# Altium PCB PowerModul.PcbDoc (part 1 of 2) (continued)
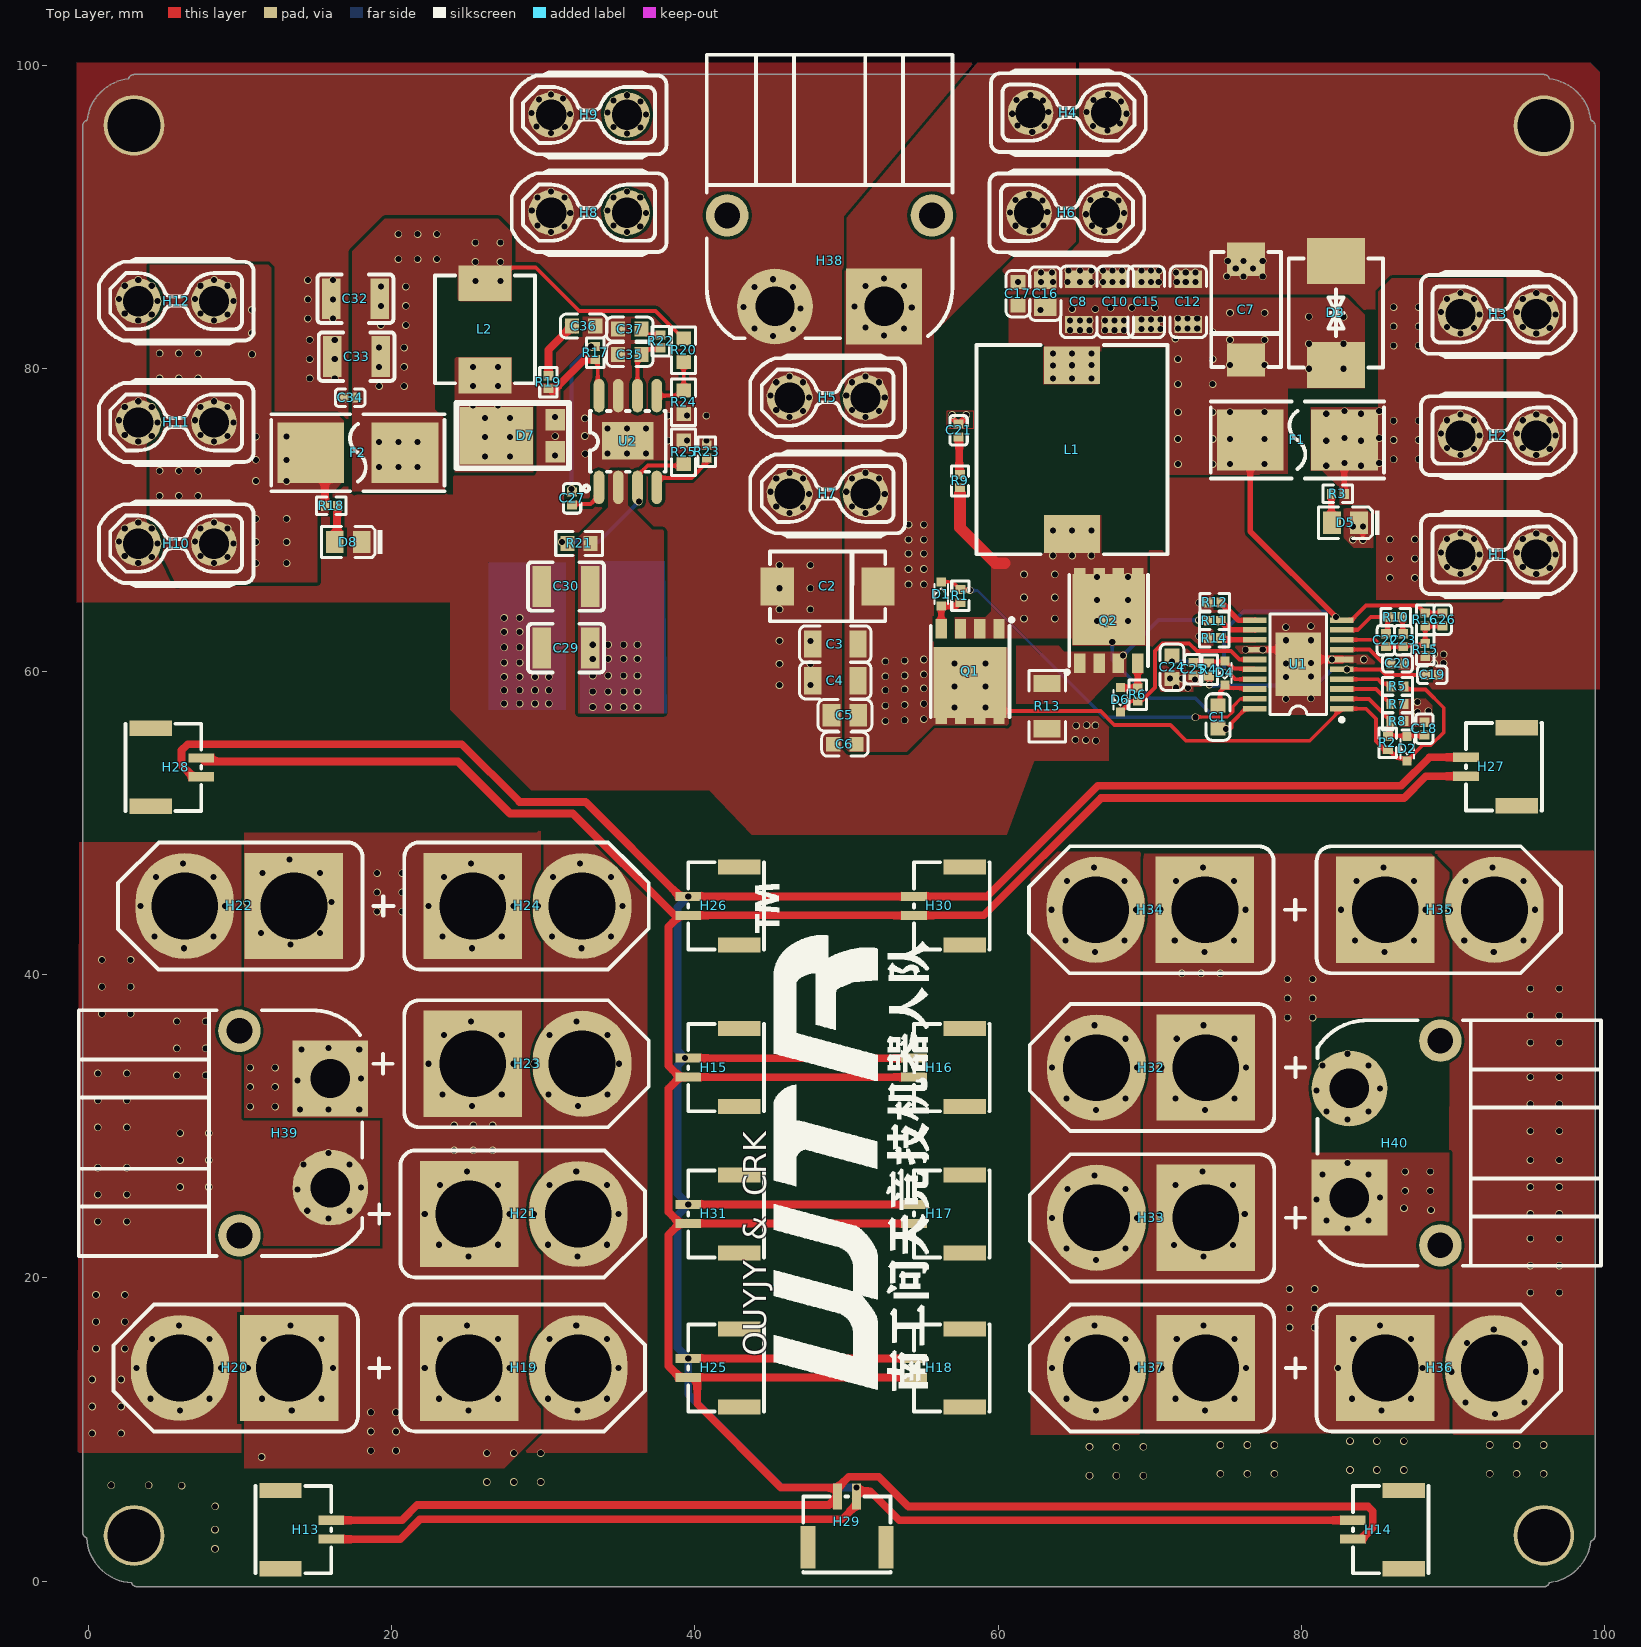
[diagram p0: Top Layer view]
## Board outline (continued)

## Design rules (kind name [scope] priority, off if disabled: settings)
Clearance [All] p1: gap=0.203 ignorepadtopadclearanceinfootprint=TRUE
HoleSize [All] p1: absolutevalues=TRUE maxlimit=2.54 minlimit=0.152 maxpercent=80.000 minpercent=20.000
MinimumSolderMaskSliver [All] p1: minsoldermaskwidth=0
PlaneClearance [All] p1: clearance=0.508
PlaneConnect [All] p1: planeconnectstyle=Direct reliefexpansion=0.508 reliefentries=4 reliefconductorwidth=0.254 reliefairgap=0.254
PolygonConnect [All] p1: connectstyle=Direct reliefconductorwidth=0.254 reliefentries=4 polygonreliefangle="90 Angle" airgapwidth=0.254
RoutingVias [All] p1: holewidth=0.3 width=0.4 viastyle="Through Hole" minholewidth=0.3 minwidth=0.4 maxholewidth=9 maxwidth=10
SilkToSilkClearance [All] p1: silktosilkclearance=0
SilkToSolderMaskClearance [IsPad] p1: minsilkscreentomaskgap=0 clearancetoexposedcopper=TRUE
SolderMaskExpansion [All] p1: expansion=0.102
Width [All] p1: maxlimit=2.54 minlimit=0.203 preferedwidth=0.254 minimp=50.000000 maximp=50.000000 favimp=50.000000
24 further rules are at their usual default settings.

## Components (designator, comment, footprint, x,y, rotation, side; value= is the part's Value field where it differs from the comment)
C1 "1uF 50V 0603" 0603_C 74.513,56.995 r270 top
C2 "22uF 35V 钽电容" CAP-SMD_L7.3-W4.3-R-RD 48.752,65.616 r0 top
C3 "4.7uF 50V 1206" 1206_C 49.26,61.806 r0 top
C4 "4.7uF 50V 1206" 1206_C 49.26,59.393 r0 top
C5 "1uF 50V 0805" 0805_C 49.895,57.107 r0 top
C6 "0.1uF 50V 0603" 0603_C 49.895,55.202 r0 top
C7 "22uF 35V 钽电容" CAP-SMD_L7.3-W4.3-R-RD 76.359,83.873 r270 top
C8 "22uF 25V" 1206_C 65.31,84.381 r270 top
C9 "22uF 25V" 1206_C 67.723,84.381 r270 bottom
C10 "22uF 25V" 1206_C 67.723,84.381 r270 top
C11 "22uF 25V" 1206_C 65.31,84.381 r270 bottom
C12 "22uF 25V" 1206_C 72.549,84.381 r270 top
C13 "22uF 25V" 1206_C 70.136,84.381 r270 bottom
C14 "22uF 25V" 1206_C 72.549,84.381 r270 bottom
C15 "22uF 25V" 1206_C 69.771,84.381 r270 top
C16 "1uF 50V 0805" 0805_C 63.103,84.921 r270 top
C17 "100nF 50V 0603" 0603_C 61.308,84.92 r270 top
C18 "1uF" 0402_C 88.122,56.225 r270 top
C19 "270pF" 0402_C 88.63,59.774 r180 top
C20 "10nF" 0402_C 86.344,60.536 r180 top
C21 "470pF" 0402_C 57.388,75.903 r270 top
C22 "100pF" 0402_C 85.582,62.06 r90 top
C23 "3.3nF" 0402_C 86.725,62.06 r90 top
C24 "1uF 0603 50V" 0603_C 71.477,60.282 r90 top
C25 "1uF" 0402_C 72.874,60.155 r90 top
C26 "330pF" 0402_C 89.321,63.418 r270 top
C27 "100nF" 0402_C 31.892,71.41 r270 top
C28 "4.7uF 1210 50V" C1210 31.494,65.606 r0 bottom
C29 "4.7uF 1210 50V" C1210 31.494,61.542 r0 top
C30 "4.7uF 1210 50V" C1210 31.494,65.606 r0 top
C31 "4.7uF 1210 50V" C1210 31.494,61.542 r0 bottom
C32 "100uF 6.3V 1210" C1210 17.604,84.587 r0 top
C33 "100uF 6.3V 1210" C1210 17.68,80.77 r0 top
C34 "100nF 0402 25V" 0402_C 17.256,78.062 r0 top
C35 "47pF" 0603_C 35.702,80.901 r0 top
C36 "100pF" 0603_C 32.654,82.78 r180 top
C37 "4.7nF" 0603_C 35.702,82.586 r0 top
D1 "BAS516" SOD-523_L1.2-W0.8-LS1.6-RD 56.245,65.108 r270 top
D2 "BAS516" SOD-523_L1.2-W0.8-LS1.6-RD 86.979,54.904 r90 top
D3 "SMCJ12CA C78808" SMC_L6.9-W5.9-LS7.9-BI 82.28,83.65 r270 top
D4 "BAS516" SOD-523_L1.2-W0.8-LS1.6-RD 74.952,59.901 r90 top
D5 "Green" 0805_LED_S1 82.915,69.807 r180 top
D6 "BAS516" SOD-523_L1.2-W0.8-LS1.6-RD 68.066,58.137 r90 top
D7 "SVM860VB" TO-277B_3P-L6.1-W4.3-LS7.0-BR 28.841,75.554 r0 top
D8 "Green" 0805_LED_S1 17.129,68.537 r180 top
F1 "FUSE C206921" FUSE-SMD_L9.8-W5.1 79.74,75.268 r0 top
F2 "FUSE C206916" FUSE-SMD_L9.8-W5.1 17.764,74.427 r180 top
H1 "2P" XT30UPB-F 92.996,67.711 r0 top
H2 "2P" XT30UPB-F 92.996,75.554 r0 top
H3 "2P" XT30UPB-F 92.996,83.554 r0 top
H4 "2P" XT30UPB-F 64.637,96.858 r0 top
H5 "2P" XT30UPB-F 48.752,78.062 r180 top
H6 "2P" XT30UPB-F 64.539,90.254 r0 top
H7 "2P" XT30UPB-F 48.752,71.712 r180 top
H8 "2P" XT30UPB-F 33.016,90.262 r180 top
H9 "2P" XT30UPB-F 33.016,96.714 r180 top
H10 "2P" XT30UPB-F 5.778,68.427 r180 top
H11 "2P" XT30UPB-F 5.778,76.427 r180 top
H12 "2P" XT30UPB-F 5.778,84.427 r180 top
H13 "2P" GH1.25-S-2P 14.335,3.386 r270 top
H14 "2P" GH1.25-S-2P 85.074,3.386 r90 top
H15 "2P" GH1.25-S-2P 41.235,33.866 r90 top
H16 "2P" GH1.25-S-2P 56.118,33.866 r90 top
H17 "2P" GH1.25-S-2P 56.118,24.214 r90 top
H18 "2P" GH1.25-S-2P 56.118,14.054 r90 top
H19 "2P" TX60-LI-P 28.697,14.054 r0 top
H20 "2P" TX60-LI-P 9.636,14.054 r180 top
H21 "2P" TX60-LI-P 28.697,24.214 r0 top
H22 "2P" TX60-LI-P 9.949,44.534 r180 top
H23 "2P" TX60-LI-P 28.951,34.12 r0 top
H24 "2P" TX60-LI-P 28.951,44.534 r0 top
H25 "2P" GH1.25-S-2P 41.235,14.054 r90 top
H26 "2P" GH1.25-S-2P 41.235,44.534 r90 top
H27 "2P" GH1.25-S-2P 92.543,53.713 r90 top
H28 "2P" GH1.25-S-2P 5.763,53.678 r270 top
H29 "2P" GH1.25-S-2P 50.022,3.894 r0 top
H30 "2P" GH1.25-S-2P 56.118,44.534 r90 top
H31 "2P" GH1.25-S-2P 41.235,24.214 r90 top
H32 "2P" TX60-LI-P 70.088,33.866 r180 top
H33 "2P" TX60-LI-P 70.088,23.96 r180 top
H34 "2P" TX60-LI-P 70.044,44.28 r180 top
H35 "2P" TX60-LI-P 89.138,44.28 r0 top
H36 "2P" TX60-LI-P 89.138,14.054 r0 top
H37 "2P" TX60-LI-P 70.088,14.054 r180 top
H38 "2P" TX60PW-M20 48.879,87.079 r180 top
H39 "2P" TX60PW-M20 12.949,29.548 r270 top
H40 "2P" TX60PW-M20 86.171,28.894 r90 top
L1 "10uH 10A C150112" IND-SMD_L13.8-W12.6_SMMS1360 64.881,74.633 r90 top
L2 "6.8uH 5A" IND-SMD_L7.1-W6.6 26.146,82.561 r90 top
Q1 "BSC067N06LS3" PG-TDSON-8_L5.0-W6.0-P1.27-LS6.2-BL-EP 58.15,60.003 r180 top
Q2 "BSC067N06LS3" PG-TDSON-8_L5.0-W6.0-P1.27-LS6.2-BL-EP 67.294,63.355 r0 top
R1 "4.7R" 0402_R 57.515,64.981 r90 top
R2 "100K 0402" 0402_R 85.709,55.285 r270 top
R3 "4.7K" 0402_R 82.407,71.712 r180 top
R4 "511K" 0402_R 73.898,60.123 r90 top
R5 "1M 0201" 0402_R 86.344,59.012 r0 top
R6 "4.7R" 0402_R 69.209,58.474 r270 top
R7 "12.4K 0402" 0402_R 86.344,57.845 r180 top
R8 "10K 0402" 0402_R 86.344,56.726 r180 top
R9 "10R" 0402_R 57.484,72.564 r90 top
R10 "17.8K" 0402_R 86.217,63.584 r0 top
R11 "0R" 0402_R 74.259,63.345 r180 top
R12 "10K" 0402_R 74.279,64.556 r0 top
R13 "4mR 1206 1%" 1206_R 63.23,57.708 r270 top
R14 "0R" 0402_R 74.259,62.202 r180 top
R15 "1.21K 1%" 0402_R 88.178,61.425 r90 top
R16 "10.7K 1%" 0402_R 88.178,63.418 r90 top
R17 "0R" 0402_R 33.424,81.014 r270 top
R18 "1K" 0402_R 16.015,70.919 r0 top
R19 "100R" 0402_R 30.337,79.078 r90 top
R20 "40.2K 0603 1%" 0603_R 39.258,81.181 r270 top
R21 "309K 0603" 0603_R 32.352,68.448 r0 top
R22 "17.8K" 0402_R 37.734,81.78 r90 top
R23 "243K" 0402_R 40.782,74.502 r270 top
R24 "7.68K 0603 1%" 0603_R 39.258,77.752 r270 top
R25 "68K 0603" 0603_R 39.258,74.458 r270 top
U1 "LM25116MHX/NOPB" HTSSOP-20_L6.5-W4.4-P0.65-LS6.4-BL-EP 79.796,60.465 r90 top locked
U2 "TPS54540DDAR" SOIC-8-EP 35.575,75.169 r0 top
? "Comment" WTR_LOGO 55.356,12.72 r90 top

## Footprints (in the part's own frame and the unit in brackets; to place one, negate y for a bottom-side part, rotate by r counter-clockwise, add the part's x,y. Pads: shape width x height; smd on the part's side, far side on the other; paste and mask are expansions set on the pad)
0402_C [mm]
  rect 0.6x0.65 smd mask+0.051: 1(-0.425,0) 2(0.425,0)
  silkscreen extent -0.98,-0.58 0.98,0.58, body extent -0.48,-0.3 0.52,0.3, height 0.2
0402_R [mm]
  rect 0.6x0.65 smd mask+0.051: 1(-0.425,0) 2(0.425,0)
  silkscreen extent -0.98,-0.57 0.98,0.58, body extent -0.57,-0.27 0.58,0.28, height 0.41
0603_C [mm]
  rect 0.93x0.98 smd: 1(-0.77,0) 2(0.77,0)
  silkscreen extent -1.54,-0.79 1.54,0.79, body extent -0.8,-0.4 0.8,0.4, height 0.3
0603_R [mm]
  rect 0.93x0.98 smd: 1(-0.77,0) 2(0.77,0)
  silkscreen extent -1.54,-0.79 1.54,0.79, body extent -0.85,-0.4 0.85,0.4, height 0.56
0805_C [mm]
  rect 1.16x1.47 smd: 1(-0.89,0) 2(0.89,0)
  silkscreen extent -1.77,-1.04 1.77,1.04, body extent -1,-0.62 1,0.63, height 0.77
0805_LED_S1 [mm]
  rect 1.16x1.47 smd: A(0.89,0) K(-0.89,0)
  silkscreen extent -2.24,-1.04 1.77,1.03, body extent -1.01,-0.62 1.01,0.62, height 1.1
1206_C [mm]
  rect 1.13x1.8 smd: 1(-1.49,0) 2(1.49,0)
  silkscreen extent -2.36,-1.2 2.35,1.2, body extent -1.6,-0.81 1.6,0.79, height 1
1206_R [mm]
  rect 1.13x1.8 smd: 1(-1.49,0) 2(1.49,0)
  silkscreen extent -2.35,-1.2 2.35,1.2, body extent -1.7,-0.86 1.65,0.87, height 0.85
C1210 [mm]
  rect 1.2x2.7 smd: 1(-1.6,0) 2(1.6,0)
  silkscreen extent -2.5,-1.6 2.5,1.6
CAP-SMD_L7.3-W4.3-R-RD [mm]
  rect 2.2x2.5 smd: 1(3.325,0) 2(-3.325,0)
  silkscreen extent -3.8,-2.3 3.8,2.34
FUSE-SMD_L9.8-W5.1 [mm]
  rect 4.4x4 smd: 1(-3.11,0) 2(3.11,0)
  silkscreen extent -5.71,-2.54 5.71,2.54
GH1.25-S-2P [mm]
  rect 0.6x1.7 smd: 1(0.625,1.675) 2(-0.625,1.675)
  rect 1x2.8 smd: 3(2.575,-1.675) 4(-2.575,-1.675)
  silkscreen extent -2.88,-3.33 2.88,1.68
HTSSOP-20_L6.5-W4.4-P0.65-LS6.4-BL-EP [mil]
  rect 14.5x61.5 smd: 1(-115.16,-113) 2(-89.57,-113) 3(-63.98,-113) 4(-38.39,-113) 5(-12.8,-113) 6(12.8,-113) 7(38.39,-113) 8(63.98,-113) 9(89.57,-113) 10(115.16,-113) 11(115.16,113) 12(89.57,113) 13(63.98,113) 14(38.39,113) 15(12.8,113) 16(-12.8,113) 17(-38.39,113) 18(-63.98,113) 19(-89.57,113) 20(-115.16,113)
  rect 165.35x118.11 smd: 21(0,0)
  silkscreen extent -149,-118 130,73
IND-SMD_L7.1-W6.6 [mm]
  rect 2.35x3.5 smd: 1(-3.035,0) 2(3.035,0)
  silkscreen extent -3.55,-3.3 3.55,3.3
IND-SMD_L13.8-W12.6_SMMS1360 [mm]
  rect 2.5x3.7 smd: 1(-5.565,0) 2(5.565,0)
  silkscreen extent -6.9,-6.3 6.9,6.3
PG-TDSON-8_L5.0-W6.0-P1.27-LS6.2-BL-EP [mil]
  rect 29.5x51.2 smd: 1(-75,-111) 2(-25,-111) 3(25,-111) 4(75,-111) 5(75,111) 6(25,111) 7(-25,111) 8(-75,111)
  rect 189x185 smd: 9(0,29)
  silkscreen extent -112,-138 102,118
SMC_L6.9-W5.9-LS7.9-BI [mm]
  rect 3.03x3.82 smd: 1(-3.435,0) 2(3.435,0)
  silkscreen extent -3.6,-3.11 3.6,3.11
SOD-523_L1.2-W0.8-LS1.6-RD [mm]
  rect 0.6x0.6 smd: 1(0.8,0) 2(-0.8,0)
  silkscreen extent -0.65,-0.45 0.65,0.45
SOIC-8-EP [mm]
  oval 0.7x2.2 smd: 1(-1.905,-3.023) 2(-0.635,-3.023) 3(0.635,-3.023) 4(1.905,-3.023) 5(1.905,3.023) 6(0.635,3.023) 7(-0.635,3.023) 8(-1.905,3.023)
  rect 3.4x2.5 smd: 9(0,0.051)
  silkscreen extent -2.93,-3.29 2.5,2
TO-277B_3P-L6.1-W4.3-LS7.0-BR [mm]
  rect 1.29x1.422 smd: 1(1.933,-1.057) 2(1.933,1.057)
  rect 4.8x3.8 smd: 3(-1.933,0)
  silkscreen extent -4.58,-2.15 2.84,2.15
TX60-LI-P [mm] "长：16mm，宽：8.2mm，高：16mm"
  rect 6.5x7 hole 4.4: 1(-3.6,0)
  oval 6.5x7 hole 4.4: 2(3.6,0)
  silkscreen extent -10.16,-4.19 8,4.19, body extent -8,-4.1 8,4.1, height 15.85
TX60PW-M20 [mm] "长：18.8mm， 宽：16mm，高：8.6mm"
  round 2.8 hole 1.7: 0(-6.75,-3) 0(6.75,-3)
  rect 5x5 hole 2.6: 1(-3.6,3)
  round 5 hole 2.6: 2(3.6,3)
  silkscreen extent -8.1,-13.6 8.1,5.1, body extent -8,-13.6 8,5.02, height 8.65
WTR_LOGO [mm]
  silkscreen extent -0.18,-0.1 33.26,11.35
XT30UPB-F [mm]
  round 3 hole 2: 1(-2.499,0) 2(2.501,0)
  silkscreen extent -5.1,-2.8 5.1,2.8

## Part data
C1 C3 C4 C5 C6 C8 C9 C10 C11 C12 C13 C14 C15 C16 C17 C18 C19 C20 C21 C22 C23 C24 C25 C26 C27 C28 C29 C30 C31 C32 C33 C34 C35 C36 C37: library part C, "贴片电容", Package=1206, SuppliersPartNumber=C1868, ComponentLink1Description=供?, ComponentLink1URL=http://www.szlcsc.com/product/details_2220.html, Supplier=LC
C2 C7: library part Cp, "极性电容", Package=3216, SuppliersPartNumber=C7171, Supplier=LC
  C2: ComponentLink2Description=C122325, ComponentLink2URL=C122325
  C7: ComponentLink1Description=供?, ComponentLink1URL=http://www.szlcsc.com/product/details_7643.html
D1 D2 D4 D6: library part D, "二极管", Package=SOD-323, SuppliersPartNumber=C2128, ComponentLink1Description=供?, ComponentLink1URL=http://www.szlcsc.com/product/details_2485.html, Supplier=LC
D3: library part TVS, "TVS", Package=SMB/DO-214AA, SuppliersPartNumber=C78395, ComponentLink1Description=供?, ComponentLink1URL=http://www.szlcsc.com/product/details_79530.html, Supplier=LC
D5 D8: library part LED, "发光二极管", Package=0805, SuppliersPartNumber=C2293, ComponentLink1Description=供?, ComponentLink1URL=http://www.szlcsc.com/product/details_2666.html, Supplier=LC
D7: library part Ds3, "肖特基二极管"
F1 F2: library part FUSE, "熔断器"
L1 L2: library part L, "电感"
Q1 Q2: library part CSD18563Q5AT, BOM_Manufacturer="Texas Instruments", BOM_Manufacturer Part=CSD18563Q5AT, BOM_Supplier=LCSC, BOM_Supplier Part=C140227, Contributor=LCSC, spicePre=Q, spiceSymbolName=CSD18563Q5AT
R1 R2 R3 R4 R5 R6 R7 R8 R9 R10 R11 R12 R13 R14 R15 R16 R17 R18 R19 R20 R21 R22 R23 R24 R25: library part R, "贴片电阻"
U1: BOM_Manufacturer="Texas Instruments", BOM_Manufacturer Part=LM25116MHX/NOPB, BOM_Supplier=LCSC, BOM_Supplier Part=C390951, Contributor=LCSC, spicePre=U, spiceSymbolName=LM25116MHX/NOPB
U2: BOM_LCSC Assembly=Yes, BOM_Manufacturer=TI, BOM_Manufacturer Part=TPS54540DDAR, BOM_Supplier=LCSC, BOM_Supplier Part=C95286, SMT Type=Extend, spicePre=U, spiceSymbolName=TPS54540DDAR

## Free pads (board coordinates)
  round 4 hole 3.5: ""(2.996,96.025) ""(3,3) ""(96,3.013) ""(96,96)

## Via types
v1: diameter 0.5, hole 0.4, Top Layer to Bottom Layer, tented both sides, 976 vias

## Nets (pads, with @x,y where several pads share a name; then routed paths per layer and width w, separated by ;. In a path a pad name is that pad's centre, name@x,y a point inside that pad or via, vN(x,y) a via of type N, cw(c..) or ccw(c..) an arc to the next point about the centre after c; other vN are vias at no path point)
+5: C32.2 C33.2 C34.2 F2.1 L2.2 R20.1 | length 15.7
  Top Layer w0.254: L2.2@26.146,85.596 27.2,86.65 29.496,86.65 32.369,83.777 37.407,83.777 39.233,81.951 R20.1@39.258,81.951 R20.1@39.385,81.824
  other v1: 19.161,73.491 20.431,73.491 21.701,73.491 19.161,75.142 20.431,75.142 21.701,75.142 19.161,78.824 20.812,78.824 19.161,80.094 20.812,80.094 19.161,81.364 20.812,81.364 19.28,82.846 20.931,82.846 19.28,84.116 20.931,84.116 19.28,85.386 20.931,85.386 25.511,85.747 27.162,85.747 25.511,87.017 27.162,87.017 20.431,87.198 21.701,87.198 22.971,87.198 25.511,88.287 27.162,88.287 20.431,88.849 21.701,88.849 22.971,88.849
+5F: F2.2 H10.1 H11.1 H12.1 R18.1 | length 3.9
  Top Layer w0.508: F2.2@14.654,74.427 15.59,73.491 R18.1@15.59,70.919
  other v1: 8.277,67.157 11.033,67.14 13.065,67.14 9.166,67.538 7.388,67.601 9.547,68.427 11.033,68.537 13.065,68.537 7.007,68.57 7.388,69.443 9.166,69.443 8.277,69.824 11.033,70.061 13.065,70.061 4.683,71.585 5.953,71.585 7.223,71.585 11.033,72.564 13.065,72.564 4.683,73.236 5.953,73.236 7.223,73.236 11.033,73.961 13.065,73.961 8.277,75.157 11.033,75.485 13.065,75.485 9.166,75.538 7.388,75.601 9.547,76.427 7.007,76.57 7.388,77.443 9.166,77.443 8.277,77.824 4.683,79.332 5.953,79.332 7.223,79.332 10.779,80.926 4.683,80.983 5.953,80.983 7.223,80.983 10.779,82.323 8.277,83.157 9.166,83.538 7.388,83.601 10.779,83.847 9.547,84.427 7.007,84.57 7.388,85.443 9.166,85.443 8.277,85.824
+12: C7.1 C8.2 C9.2 C10.2 C11.2 C12.2 C13.2 C14.2 C15.2 C16.2 C17.2 C24.2 C26.1 D3.2 F1.1 L1.2 R16.2 U1.10 U1.17 | length 37.9
  Top Layer w0.254: v1(74.892,59.901) 75.219,59.901 75.63,59.49 U1.17@76.926,59.49 ; U1.10@82.666,63.39 83.316,63.39 84.272,64.346 87.674,64.346 R16.2@88.178,63.843 C26.1@89.321,63.843
  Top Layer w0.381: F1.1@76.63,75.268 76.63,69.234 v1(82.28,63.584)
  Bottom Layer w0.254: v1(71.477,60.663) 74.13,60.663 v1(74.892,59.901) 74.892,62.673 76.184,63.965 81.899,63.965 v1@82.153,63.711
  other v1: 71.866,73.68 74.152,73.681 75.295,73.68 77.581,73.681 71.866,75.331 74.152,75.331 75.295,75.331 77.581,75.331 71.866,77.109 74.152,77.109 75.295,77.109 77.581,77.109 71.866,78.951 74.152,78.951 63.611,79.332 64.881,79.332 66.151,79.332 80.502,79.967 82.788,79.967 63.611,80.173 64.881,80.198 66.151,80.215 75.295,80.221 77.581,80.221 71.866,80.602 74.152,80.602 63.611,80.983 64.881,80.983 66.151,80.983 80.502,81.618 82.788,81.618 75.295,81.872 77.581,81.872 71.695,81.951 74.152,82.38 64.754,82.507 65.389,82.507 66.024,82.507 67.04,82.507 67.675,82.507 68.31,82.507 69.453,82.586 70.088,82.586 70.723,82.586 71.866,82.635 72.501,82.635 73.136,82.635 64.754,83.142 65.389,83.142 66.024,83.142 67.04,83.142 67.675,83.142 68.31,83.142 69.453,83.221 70.088,83.221 70.723,83.221 71.866,83.27 72.501,83.27 73.136,83.27 80.502,83.396 82.788,83.396 75.295,83.65 77.581,83.65 62.798,83.847 64.881,83.904 66.405,83.904 67.421,83.983 68.818,83.983 70.342,83.983
+12F: F1.2 H1.1 H2.1 H3.1 R3.1 | length 3.6
  Top Layer w0.381: R3.1@82.832,71.712 82.832,75.25 F1.2@82.85,75.268
  other v1: 85.836,66.175 87.487,66.175 90.497,66.441 91.386,66.822 89.608,66.886 85.836,67.445 87.487,67.445 91.767,67.711 89.227,67.854 85.836,68.715 87.487,68.715 89.608,68.727 91.386,68.727 90.497,69.108 81.645,73.569 83.931,73.569 82.855,73.744 85.141,73.744 86.09,73.998 87.741,73.998 90.497,74.284 91.386,74.665 89.608,74.729 81.645,75.22 83.931,75.22 86.09,75.268 87.741,75.268 82.855,75.395 85.141,75.395 91.767,75.554 89.227,75.697 86.09,76.538 87.741,76.538 89.608,76.57 91.386,76.57 90.497,76.951 81.645,76.998 83.931,76.998 82.855,77.173 85.141,77.173 86.09,81.491 87.741,81.491 90.497,82.284 91.386,82.665 89.608,82.729 86.09,82.761 87.741,82.761 91.767,83.554 89.227,83.697 86.09,84.031 87.741,84.031 89.608,84.57 91.386,84.57 90.497,84.951
+24: C2.1 C3.2 C4.2 C5.2 C6.2 C28.2 C29.2 C30.2 C31.2 D2.2 H4.1 H5.1 H6.1 H7.1 H8.1 H9.1 H38.1 Q1.5 Q1.6 Q1.7 Q1.8 Q1.9 R2.2 R5.2 R21.2 U1.1 U2.2 | length 41.6
  Top Layer w0.254: Q1.9@58.15,59.266 60.033,57.383 66.744,57.383 67.656,56.472 71.358,56.472 72.4,55.43 80.556,55.43 U1.1@82.666,57.54 84.26,57.54 84.924,56.876 84.924,55.397 85.461,54.86 85.734,54.86 86.317,54.277 86.806,54.277 D2.2@86.979,54.104 88.003,55.128 88.541,55.128 89.392,55.978 89.392,57.607 88.185,58.814 86.942,58.814 86.769,58.987 R5.2@86.769,59.012
  other v1: 52.562,56.726 53.832,56.782 55.102,56.853 57.134,57.615 59.166,57.615 33.258,57.653 34.274,57.653 35.29,57.653 36.21,57.653 52.562,57.742 53.832,57.798 55.102,57.869 33.258,58.669 34.274,58.669 35.29,58.669 36.21,58.669 52.562,58.758 53.832,58.814 55.102,58.885 57.134,59.012 59.166,59.012 52.562,59.678 33.258,59.723 34.274,59.723 35.29,59.723 36.21,59.723 53.832,59.734 55.102,59.805 57.134,60.536 59.166,60.536 52.562,60.663 53.832,60.719 55.102,60.79 33.258,60.828 34.274,60.828 35.29,60.828 36.21,60.828 33.258,61.762 34.274,61.762 35.29,61.762 36.21,61.762 54.086,65.743 55.102,65.743 54.086,66.759 55.102,66.759 54.086,67.775 55.102,67.775 54.086,68.695 55.102,68.695 54.086,69.68 55.102,69.68 51.251,70.442 52.14,70.823 50.362,70.886 52.521,71.712 49.981,71.855 50.362,72.728 52.14,72.728 51.251,73.109 51.251,76.792 52.14,77.173 50.362,77.236 52.521,78.062 49.981,78.205 50.362,79.078 52.14,79.078 51.251,79.459 52.479,82.175 53.793,82.635 51.253,82.683 54.301,84.001 50.539,84.079 51.253,85.421 53.793,85.421 52.479,85.92 35.503,88.984 62.073,89.043 36.392,89.365 61.159,89.399 34.614,89.428 62.988,89.424 36.773,90.254 60.778,90.262 63.242,90.313 34.233,90.397 62.937,91.075 61.159,91.101 34.614,91.27 36.392,91.27 62.022,91.456 35.503,91.651 35.505,95.495 62.251,95.571 36.394,95.876 34.616,95.927 63.064,95.977 61.286,96.003 36.775,96.739 60.93,96.79 34.235,96.866 63.318,96.892 36.394,97.603 34.616,97.654 62.962,97.654 61.21,97.705 35.505,98.009 62.138,98.035
+24_1: H32.1 H33.1 H34.1 H35.1 H36.1 H37.1 H40.1
  other v1: 73.644,11.26 85.284,11.26 71.695,12.022 75.593,12.022 83.335,12.022 87.233,12.022 70.767,14.054 76.355,14.054 82.407,14.054 87.995,14.054 71.783,15.959 75.593,15.959 83.423,15.959 87.233,15.959 79.232,16.721 80.883,16.721 73.561,16.848 85.201,16.848 79.232,17.991 80.883,17.991 79.232,19.261 80.883,19.261 73.556,21.416 71.607,22.178 75.505,22.178 83.044,23.258 81.647,23.77 84.441,23.77 70.679,24.21 76.267,24.21 88.555,24.468 86.773,24.595 81.012,25.167 85.203,25.294 86.852,25.738 88.503,25.738 71.695,26.115 75.505,26.115 81.393,26.818 84.441,26.818 73.473,27.004 86.852,27.008 88.503,27.008 83.044,27.58 73.644,31.072 71.695,31.834 75.593,31.834 70.767,33.866 76.355,33.866 71.783,35.771 75.593,35.771 73.561,36.66 79.095,37.168 80.746,37.168 79.095,38.438 80.746,38.438 79.095,39.708 80.746,39.708 72.12,40.089 73.39,40.089 74.66,40.089 73.6,41.486 85.494,41.486 71.651,42.248 75.549,42.248 83.545,42.248 87.443,42.248 70.723,44.28 76.311,44.28 82.617,44.28 88.205,44.28 71.739,46.185 75.549,46.185 83.633,46.185 87.443,46.185 73.517,47.074 85.411,47.074
+24_2: H19.1 H20.1 H21.1 H22.1 H23.1 H24.1 H39.1
  other v1: 11.414,8.182 26.273,8.436 28.051,8.436 18.627,8.593 20.278,8.593 18.627,9.863 20.278,9.863 18.627,11.133 20.278,11.133 13.402,11.26 25.053,11.26 11.453,12.022 15.351,12.022 23.105,12.022 27.002,12.022 10.525,14.054 16.113,14.054 22.176,14.054 27.764,14.054 11.541,15.959 15.351,15.959 23.192,15.959 27.002,15.959 13.319,16.848 24.97,16.848 25.053,21.42 23.105,22.182 27.002,22.182 22.176,24.214 27.764,24.214 23.192,26.119 27.002,26.119 24.97,27.008 24.114,28.405 25.384,28.405 26.654,28.405 24.114,30.056 25.384,30.056 26.654,30.056 13.957,31.116 15.822,31.112 17.854,31.116 10.652,31.291 12.303,31.291 25.307,31.326 23.359,32.088 27.256,32.088 10.652,32.596 12.303,32.596 13.79,33.021 17.981,33.148 10.652,33.866 12.303,33.866 22.43,34.12 28.018,34.12 14.044,35.053 17.854,35.053 15.822,35.159 23.446,36.025 27.256,36.025 25.224,36.914 25.307,41.74 13.326,41.994 23.359,42.502 27.256,42.502 11.378,42.756 15.275,42.756 19.034,44.153 20.685,44.153 22.43,44.534 28.018,44.534 10.449,44.788 16.037,44.788 19.034,45.423 20.685,45.423 23.446,46.439 27.256,46.439 11.465,46.693 15.275,46.693 19.034,46.693 20.685,46.693 25.224,47.328 13.243,47.582
CAN_H: H13.2 H14.2 H15.2 H16.2 H17.2 H18.2 H25.2 H26.2 H27.2 H28.2 H29.2 H30.2 H31.2 | length 257.9
  Top Layer w0.508: H28.2@7.438,54.303 7.682,54.059 24.368,54.059 27.797,50.63 31.948,50.63 38.669,43.909 H26.2@39.01,43.909 ; H13.2@16.01,4.011 20.675,4.011 21.683,5.019 48.847,5.019 H29.2@49.397,5.569 ; H18.2@54.443,13.429 H25.2@40.11,13.429 ; H17.2@54.443,23.589 H31.2@39.56,23.589 H31.2@39.01,23.589 ; H16.2@54.443,33.241 H15.2@39.56,33.241 H15.2@39.01,33.241 ; H14.2@83.399,2.761 83.949,2.761 84.706,3.518 84.706,4.606 84.402,4.91 54.086,4.91 52.12,6.876 50.154,6.876 H29.2@49.397,6.119 ; H27.2@90.868,53.088 88.215,53.088 86.773,51.646 66.786,51.646 59.049,43.909 H30.2@54.443,43.909 H26.2@39.56,43.909 H26.2@39.01,43.909 ; H31.2@39.01,23.589 38.253,22.832 38.253,14.186 39.01,13.429 H25.2@39.56,13.429 H25.2@40.11,13.429 ; H31.2@39.01,23.589 38.253,24.346 38.253,32.484 H15.2@39.01,33.241 ; H15.2@39.01,33.241 38.253,33.998 38.253,43.152 H26.2@39.01,43.909 ; H25.2@40.11,13.429 40.156,13.383 40.156,11.686 45.677,6.165 49.351,6.165 H29.2@49.397,6.119 ; H29.2@49.397,5.569 H29.2@49.397,6.119 ; H29.2@49.397,5.569 H29.2@49.397,6.119
CAN_L: H13.1 H14.1 H15.1 H16.1 H17.1 H18.1 H25.1 H26.1 H27.1 H28.1 H29.1 H30.1 H31.1 | length 258.2
  Top Layer w0.508: H28.1@7.438,53.053 6.887,53.053 6.13,53.81 6.13,54.793 6.54,55.202 24.622,55.202 28.432,51.392 32.777,51.392 39.01,45.159 v1(39.56,45.159) H30.1@54.443,45.159 59.283,45.159 66.575,52.451 86.573,52.451 88.46,54.338 H27.1@90.868,54.338 ; H13.1@16.01,2.761 20.55,2.761 21.865,4.076 49.704,4.076 50.647,5.019 H29.1@50.647,5.569 50.647,5.823 50.75,5.926 51.556,5.926 53.471,4.011 H14.1@83.399,4.011 ; v1(39.56,14.679) H18.1@54.443,14.679 ; v1(39.56,24.839) H17.1@54.443,24.839 ; H15.1@39.56,34.491 H16.1@54.443,34.491
  Bottom Layer w0.508: v1(39.56,45.159) 38.846,44.445 38.846,34.999 v1(39.354,34.491) 38.846,33.983 38.846,25.553 v1(39.56,24.839) 38.846,24.125 38.846,15.393 v1(39.56,14.679) 39.56,12.324 45.719,6.165 v1(50.647,6.165)
FB: R20.2 R24.1 U2.5 | length 3.8
  Top Layer w0.254: U2.5@37.48,78.192 38.928,78.192 R24.1@39.258,78.522 R20.2@39.258,80.411
GND: C2.2 C3.1 C4.1 C5.1 C6.1 C7.2 C8.1 C9.1 C10.1 C11.1 C12.1 C13.1 C14.1 C15.1 C16.1 C17.1 C18.1 C19.1 C20.1 C21.1 C24.1 C25.1 C28.1 C29.1 C30.1 C31.1 C32.1 C33.1 C34.1 C35.1 C36.1 C37.1 D3.1 D5.K D7.1 D7.2 D8.K H1.2 H2.2 H3.2 H4.2 H5.2 H6.2 H7.2 H8.2 H9.2 H10.2 H11.2 H12.2 H38.2 pad.@2.996,96.025 pad.@96,96 R7.1 R8.1 R12.1 R13.2 R14.2 R15.1 R23.1 R24.2 R25.1 U1.6 U1.14 U1.21 U2.7 U2.9 | length 9.7
  Top Layer w0.254: v1(73.263,64.531) 73.276,64.543 73.841,64.543 R12.1@73.854,64.556 ; U1.21@78.821,61.44 U1.21@79.796,60.465 ; D5.K@83.805,69.807 v1(84.058,69.554) v1(84.058,68.664)
  Top Layer w0.381: v1(56.968,76.919) 56.972,76.915 56.972,76.719 57.363,76.328 C21.1@57.388,76.328 57.413,76.328 57.892,76.807 57.892,76.915 v1(57.896,76.919) ; U1.14@76.926,61.44 U1.21@78.821,61.44 ; U1.21@79.796,60.465 U1.21@80.121,60.79
  Top Layer w0.508: U1.21@80.121,60.79 81.674,60.79 81.689,60.805 81.704,60.79 U1.6@82.666,60.79
  other v1: 66.442,55.43 65.782,55.464 65.096,55.49 65.147,56.43 65.832,56.455 66.417,56.447 87.651,57.319 88.376,57.383 27.416,57.876 28.432,57.876 29.448,57.876 30.368,57.876 87.651,57.979 78.978,58.19 80.629,58.222 27.416,58.758 28.432,58.758 29.448,58.758 30.368,58.758 71.725,58.924 72.513,58.919 45.577,59.101 47.609,59.101 72.995,59.474 71.344,59.528 72.122,59.528 27.416,59.647 28.432,59.647 29.448,59.647 30.368,59.647 78.978,59.647 80.629,59.678 45.577,60.498 47.609,60.498 88.757,60.529 78.978,60.536 80.629,60.548 89.392,60.548 27.416,60.58 28.432,60.58 82.025,60.79 84.12,60.79 88.757,61.132 89.392,61.132 76.323,61.433 77.454,61.44 27.416,61.596 28.432,61.596 45.577,62.022 47.609,62.022 78.978,62.06 80.629,62.06 73.263,62.322 27.416,62.612 28.432,62.612 78.978,62.921 80.629,62.993 27.416,63.532 28.432,63.532 45.577,64.092 47.609,64.092 45.577,65.489 47.609,65.489 95.497,66.441 96.386,66.822 94.608,66.886 45.577,67.013 47.609,67.013 3.277,67.157 4.166,67.538 2.388,67.601 96.767,67.711 94.227,67.854 4.547,68.427 2.007,68.57 83.406,68.695 94.608,68.727 96.386,68.727 95.497,69.108 2.388,69.443 4.166,69.443 83.399,69.554 3.277,69.824 46.251,70.442 47.14,70.823 45.362,70.886 47.521,71.712 44.981,71.855 45.362,72.728 47.14,72.728 46.251,73.109 30.774,74.252 95.497,74.284 32.762,74.362 34.233,74.379 35.503,74.379 36.773,74.379 96.386,74.665 94.608,74.729 3.277,75.157 38.211,75.228 39.481,75.228 40.751,75.228 4.166,75.538 30.774,75.522 32.736,75.53 96.767,75.554 2.388,75.601 94.227,75.697 34.233,76.03 35.503,76.03 36.773,76.03 4.547,76.427 2.007,76.57 94.608,76.57 96.386,76.57 32.736,76.699 30.774,76.792 46.251,76.792 38.211,76.879 39.481,76.879 40.751,76.879 95.497,76.951 47.14,77.173 45.362,77.236 2.388,77.443 4.166,77.443 3.277,77.824 47.521,78.062 44.981,78.205 45.362,79.078 47.14,79.078 14.589,79.332 16.24,79.332 46.251,79.459 14.589,80.602 16.24,80.602 14.589,81.872 16.24,81.872 45.152,82.126 95.497,82.284 46.466,82.586 43.926,82.634 96.386,82.665 94.608,82.728 3.277,83.157 14.462,83.269 16.113,83.269 4.166,83.538 96.767,83.554 2.388,83.601 94.227,83.697 46.974,83.952 43.212,84.03 4.547,84.427 14.462,84.539 16.113,84.539 2.007,84.57 94.608,84.57 96.386,84.57 95.497,84.951 43.926,85.372 46.466,85.372 2.388,85.443 4.166,85.443 61.308,85.69 62.814,85.682 63.611,85.682 64.583,85.682 65.389,85.682 66.151,85.682 66.913,85.682 67.548,85.682 68.213,85.682 69.453,85.682 70.088,85.682 70.596,85.682 71.783,85.682 72.374,85.682 73.009,85.69 3.277,85.824 14.462,85.809 16.113,85.809 45.152,85.871 75.083,86.063 76.184,86.063 77.454,86.063 62.814,86.317 63.567,86.317 71.739,86.317 72.374,86.317 73.009,86.317 64.627,86.444 65.389,86.444 66.151,86.444 66.913,86.444 67.548,86.444 68.183,86.444 69.453,86.444 70.088,86.444 70.617,86.444 75.676,86.571 76.819,86.571 75.147,87.079 76.184,87.079 77.454,87.079 30.503,88.984 67.001,89.043 31.392,89.365 66.188,89.399 68.017,89.399 29.614,89.428 65.807,90.161 68.296,90.237 31.773,90.254 29.233,90.397 67.941,91.075 66.086,91.101 29.614,91.27 31.392,91.27 67.102,91.482 30.503,91.651 30.501,95.52 67.204,95.673 31.441,95.927 29.536,95.952 66.264,95.977 68.042,96.155 31.771,96.765 68.474,96.79 29.231,96.841 65.832,96.892 68.093,97.603 66.29,97.705 29.714,97.73 31.288,97.781 30.501,98.06 67.255,98.06
GND1: H32.2 H33.2 H34.2 H35.2 H36.2 H37.2 H40.2 pad.@96,3.013
  other v1: 66.024,6.942 67.802,6.942 69.58,6.942 74.66,7.069 76.438,7.069 78.216,7.069 92.428,7.069 94.206,7.069 95.984,7.069 83.208,7.323 84.986,7.323 86.764,7.323 66.024,8.847 67.802,8.847 69.58,8.847 74.66,8.974 76.438,8.974 78.216,8.974 92.428,8.974 94.206,8.974 95.984,8.974 83.208,9.228 84.986,9.228 86.764,9.228 92.777,11.01 66.444,11.26 90.828,11.772 94.726,11.772 64.495,12.022 68.393,12.022 89.9,13.804 95.488,13.804 63.567,14.054 69.155,14.054 90.916,15.709 94.726,15.709 64.583,15.959 68.393,15.959 92.694,16.598 66.361,16.848 95.107,19.029 97.012,19.029 95.107,20.807 97.012,20.807 66.444,21.166 64.495,21.928 68.393,21.928 95.107,22.585 97.012,22.585 63.567,23.96 69.155,23.96 95.107,24.214 97.012,24.214 64.583,25.865 68.393,25.865 95.107,25.992 97.012,25.992 66.361,26.754 95.107,27.77 97.012,27.77 95.107,29.678 97.012,29.678 83.044,30.458 81.647,30.97 84.441,30.97 66.444,31.072 95.107,31.456 97.012,31.456 64.495,31.834 68.393,31.834 81.012,32.367 85.203,32.494 95.107,33.234 97.012,33.234 63.567,33.866 69.155,33.866 81.393,34.018 84.441,34.018 83.044,34.78 95.107,35.517 97.012,35.517 64.583,35.771 68.393,35.771 66.361,36.66 95.107,37.295 97.012,37.295 95.107,39.073 97.012,39.073 66.4,41.486 92.694,41.486 64.451,42.248 68.349,42.248 90.745,42.248 94.643,42.248 63.523,44.28 69.111,44.28 89.817,44.28 95.405,44.28 64.539,46.185 68.349,46.185 90.833,46.185 94.643,46.185 66.317,47.074 92.611,47.074
GND2: H19.2 H20.2 H21.2 H22.2 H23.2 H24.2 H39.2 pad.@3,3
  other v1: 8.338,2.116 8.338,3.386 8.352,4.918 6.142,6.29 1.494,6.315 3.958,6.315 26.273,6.531 28.051,6.531 29.829,6.531 29.829,8.436 0.238,9.736 2.143,9.736 6.036,11.26 32.253,11.26 0.238,11.514 2.143,11.514 4.087,12.022 7.985,12.022 30.305,12.022 34.202,12.022 0.238,13.292 2.143,13.292 3.159,14.054 8.747,14.054 29.376,14.054 34.964,14.054 0.492,15.324 2.397,15.324 4.175,15.959 7.985,15.959 30.392,15.959 34.202,15.959 5.953,16.848 32.17,16.848 0.492,17.102 2.397,17.102 0.492,18.88 2.397,18.88 32.253,21.42 30.305,22.182 34.202,22.182 0.619,23.706 2.524,23.706 15.822,23.912 29.376,24.214 34.964,24.214 14.425,24.424 17.219,24.424 0.619,25.484 2.524,25.484 13.79,25.821 17.981,25.948 6.036,25.992 7.941,25.992 30.392,26.119 34.202,26.119 32.17,27.008 0.619,27.262 2.524,27.262 14.171,27.472 17.219,27.472 6.036,27.77 7.941,27.77 15.822,28.234 6.036,29.548 7.941,29.548 0.619,29.929 2.524,29.929 32.274,31.326 0.619,31.707 2.524,31.707 30.326,32.088 34.223,32.088 5.826,33.358 7.731,33.358 0.619,33.485 2.524,33.485 29.397,34.12 34.985,34.12 5.826,35.136 7.731,35.136 30.413,36.025 34.223,36.025 5.826,36.914 7.731,36.914 32.191,36.914 0.873,37.422 2.778,37.422 0.873,39.2 2.778,39.2 0.873,40.978 2.778,40.978 6.305,41.74 32.507,41.74 4.357,42.502 8.254,42.502 30.559,42.502 34.456,42.502 3.428,44.534 9.016,44.534 29.63,44.534 35.218,44.534 4.444,46.439 8.254,46.439 30.646,46.439 34.456,46.439 6.222,47.328 32.424,47.328
NetC1_1: C1.1 D4.2 U1.18 | length 3.6
  Top Layer w0.254: C1.1@74.513,57.765 74.61,57.668 74.64,57.697 74.64,58.677 74.952,58.989 75.044,58.897 76.869,58.897 U1.18@76.926,58.84
NetC1_2: C1.2 L1.1 Q1.1 Q1.2 Q1.3 Q2.5 Q2.6 Q2.7 Q2.8 Q2.9 R9.1 U1.20 | length 19.5
  Top Layer w0.254: C1.2@74.894,56.225 75.333,56.225 75.4,56.292 75.4,56.611 76.329,57.54 U1.20@76.926,57.54
  Top Layer w0.762: 57.484,71.712 57.484,69.48 59.824,67.14 60.436,67.14
  Bottom Layer w0.254: v1(67.526,61.955) 67.526,60.742 70.033,58.235 73.024,58.235 v1(75.041,56.218)
  other v1: 66.532,63.32 68.564,63.32 61.706,63.479 63.738,63.479 66.532,64.717 68.564,64.717 61.706,64.876 63.738,64.876 66.532,66.241 68.564,66.241 61.706,66.4 63.738,66.4 63.611,67.648 64.881,67.648 66.151,67.648 63.611,69.299 64.881,69.299 66.151,69.299
NetC18_2: C18.2 D2.1 R2.1 R8.2 U1.2 | length 7.4
  Top Layer w0.254: U1.2@82.666,58.19 84.455,58.19 85.721,56.924 85.746,56.924 85.919,56.751 R8.2@85.919,56.726 85.814,56.621 85.814,55.815 R2.1@85.754,55.755 ; R2.1@85.709,55.71 R2.1@85.754,55.755 ; C18.2@88.122,55.8 88.077,55.755 R2.1@85.754,55.755
NetC19_2: C19.2 R4.1 U1.5 | length 15.9
  Top Layer w0.254: R4.1@73.898,59.698 74.037,59.559 73.935,59.458 v1(73.935,59.128) ; U1.5@82.666,60.14 85.223,60.14 85.589,59.774 C19.2@88.205,59.774
  Bottom Layer w0.254: v1(73.935,59.128) 73.996,59.067 80.951,59.067 82.012,60.127 v1(83.004,60.127)
NetC20_2: C20.2 U1.7 | length 3.6
  Top Layer w0.254: U1.7@82.666,61.44 84.493,61.44 85.336,60.597 85.858,60.597 C20.2@85.919,60.536
NetC21_2: C21.2 R9.2 | length 2.5
  Top Layer w0.508: C21.2@57.388,75.478 57.39,75.478 57.436,75.432 57.436,73.035 57.482,72.989 R9.2@57.484,72.989